# KiCad board Stream.kicad_pcb (continued)
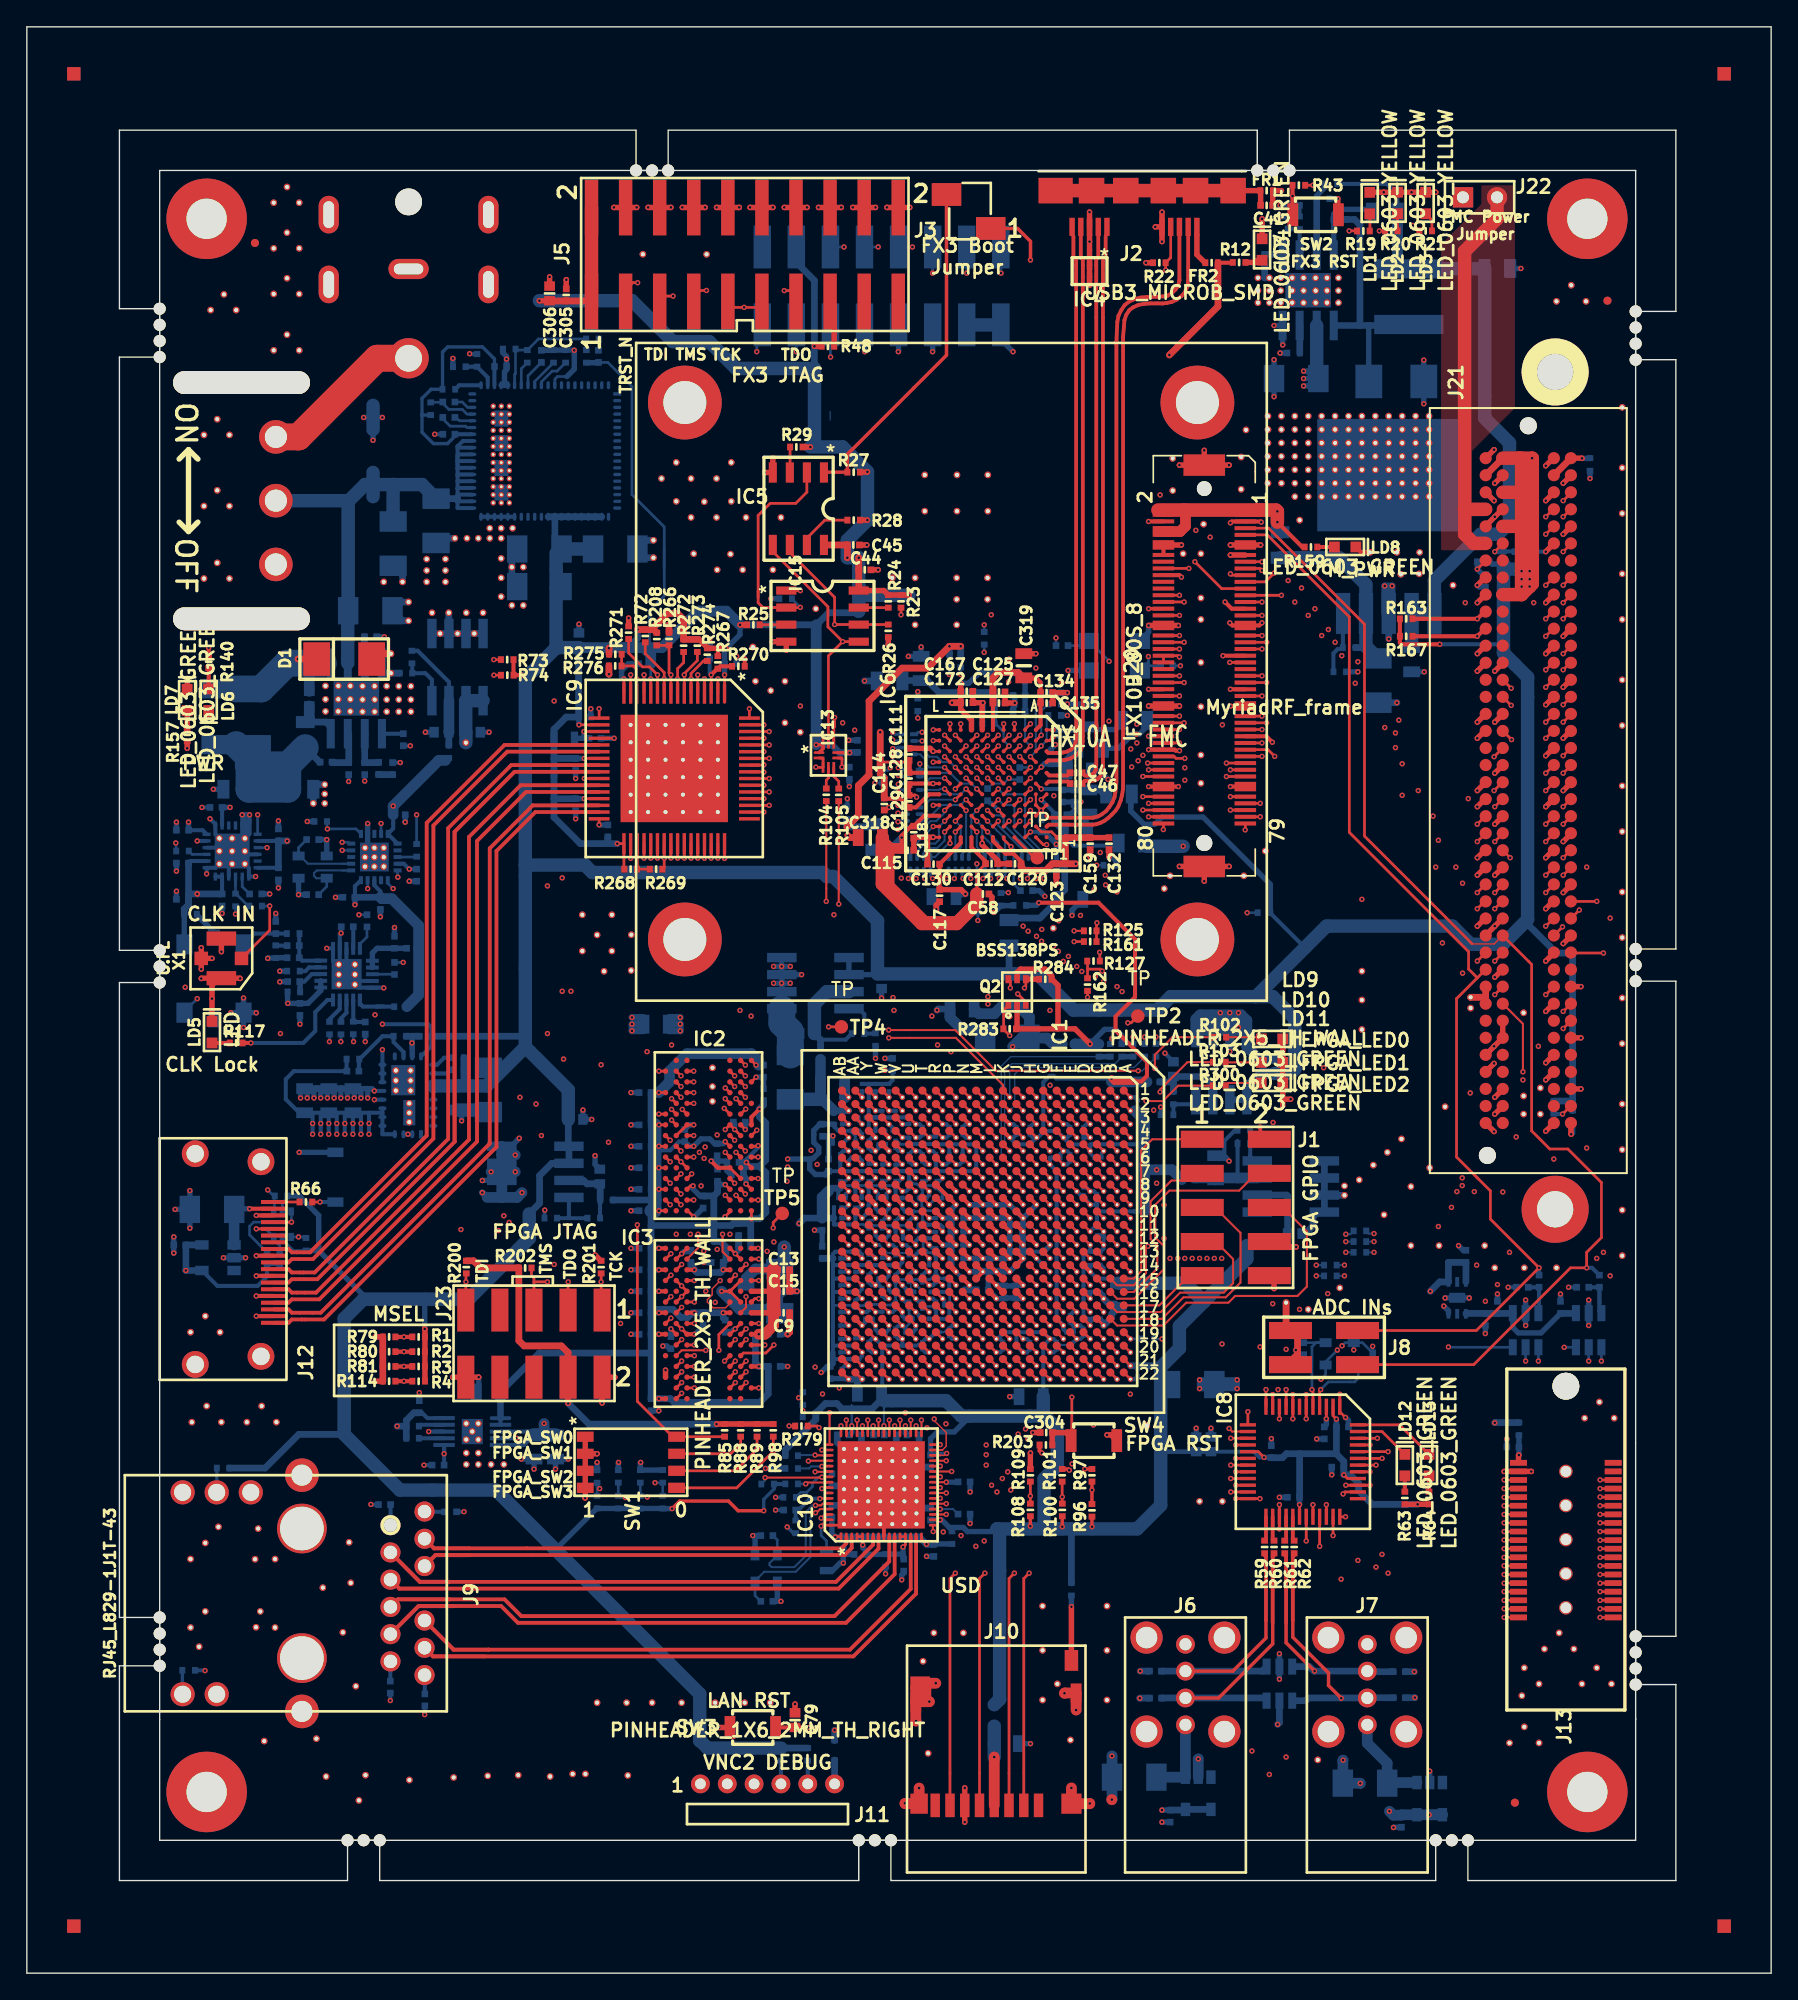
[diagram p0: board, top side]
## Nets (continued)
GND: C1.2 C2.2 C3.2 C4.2 C5.2 C6.2 C7.2 C8.2 C9.2 C10.2 C11.2 C12.2 C13.2 C14.2 C15.2 C16.2 C17.2 C18.2 C19.2 C20.2 C21.2 C22.2 C23.2 C24.2 C25.2 C26.2 C27.2 C28.2 C29.2 C30.2 C31.2 C32.2 C33.2 C34.2 C35.2 C36.2 C37.2 C38.2 C39.2 C40.2 C41.2 C42.1 C43.1 C44.2 C45.2 C48.2 C49.2 C50.2 C51.2 C52.2 C53.2 C54.2 C55.2 C56.2 C57.2 C58.2 C59.2 C60.1 C61.1 C62.2 C63.2 C64.2 C65.2 C66.2 C67.2 C68.2 C69.2 C70.2 C71.2 C72.2 C73.2 C74.2 C75.2 C76.2 C77.2 C78.2 C79.2 C80.1 C81.1 C82.1 C83.1 C84.1 C85.1 C86.2 C87.2 C88.2 C89.2 C90.2 C91.2 C92.2 C93.2 C94.2 C96.2 C97.2 C98.2 C99.2 C100.2 C101.2 C102.2 C103.2 C104.2 C105.2 C106.2 C107.2 C108.2 C109.2 C110.2 C111.2 C112.2 C113.2 C114.2 C115.2 C116.2 C117.2 C118.2 C119.2 C120.2 C121.2 C122.2 C123.2 C124.2 C125.2 C126.2 C127.2 C128.2 C129.2 C130.2 C131.2 C132.2 C133.2 C134.2 C135.2 C136.2 C137.2 C138.2 C139.2 C140.2 C141.2 C142.2 C143.2 C145.2 C146.2 C147.2 C148.2 C149.2 C150.2 C151.2 C152.2 C153.2 C154.2 C155.2 C156.2 C157.2 C158.2 C159.2 C160.2 C162.2 C163.2 C164.2 C165.2 C166.2 C167.2 C168.2 C169.2 C170.2 C171.2 C172.2 C173.2 C174.2 C175.2 C176.2 C177.2 C178.2 C179.2 C180.2 C181.2 C182.2 C185.2 C186.2 C187.2 C188.1 C189.1 C190.2 C191.2 C194.2 C195.2 C196.2 C197.2 C198.2 C199.2 C200.1 C201.1 C202.1 C203.2 C204.2 C205.2 C206.2 C207.2 C208.2 C209.2 C210.2 C211.2 C212.2 C214.2 C216.2 C217.2 C218.2 C219.1 C220.2 C221.2 C222.2 C223.2 C224.2 C225.2 C226.2 C227.2 C228.2 C229.2 C230.2 C231.2 C232.2 C233.2 C234.2 C235.2 C236.2 C237.2 C238.2 C239.2 C240.2 C241.2 C242.2 C243.2 C244.2 C245.2 C246.2 C247.2 C248.2 C249.2 C250.2 C251.2 C252.2 C253.2 C254.2 C255.2 C256.2 C257.2 C258.2 C259.2 C260.2 C261.2 C262.2 C263.2 C266.2 C267.2 C268.2 C270.2 C271.2 C272.2 C273.2 C274.2 C275.2 C276.2 C277.2 C279.2 C280.2 C284.2 C285.2 C288.2 C289.2 C290.2 C291.2 C292.2 C293.2 C296.2 C298.2 C299.2 C300.2 C301.2 C303.2 C304.2 C305.2 C306.2 C307.2 C308.2 C310.2 C313.2 C314.2 C315.2 C316.1 C317.2 C318.2 C319.2 C320.2 C321.2 D1.1 D7.1 D10.1 FR1.2 GND_VIA.1 GND_VIA#2.1 GND_VIA#3.1 GND_VIA#4.1 GND_VIA#5.1 GND_VIA#6.1 GND_VIA#7.1 GND_VIA#8.1 GND_VIA#9.1 GND_VIA#10.1 GND_VIA#11.1 GND_VIA#12.1 GND_VIA#13.1 GND_VIA#14.1 GND_VIA#15.1 GND_VIA#16.1 GND_VIA#17.1 GND_VIA#18.1 GND_VIA#19.1 GND_VIA#20.1 GND_VIA#21.1 GND_VIA#22.1 GND_VIA#23.1 GND_VIA#24.1 GND_VIA#25.1 GND_VIA#26.1 GND_VIA#27.1 GND_VIA#28.1 GND_VIA#29.1 GND_VIA#30.1 GND_VIA#31.1 GND_VIA#32.1 GND_VIA#33.1 GND_VIA#34.1 GND_VIA#35.1 GND_VIA#36.1 GND_VIA#37.1 GND_VIA#38.1 GND_VIA#39.1 GND_VIA#40.1 GND_VIA#41.1 GND_VIA#42.1 GND_VIA#43.1 GND_VIA#44.1 GND_VIA#45.1 GND_VIA#46.1 GND_VIA#47.1 GND_VIA#48.1 GND_VIA#49.1 GND_VIA#50.1 GND_VIA#51.1 GND_VIA#52.1 GND_VIA#53.1 GND_VIA#54.1 GND_VIA#55.1 GND_VIA#56.1 GND_VIA#57.1 GND_VIA#58.1 GND_VIA#59.1 GND_VIA#60.1 GND_VIA#61.1 GND_VIA#62.1 GND_VIA#63.1 GND_VIA#64.1 GND_VIA#65.1 GND_VIA#66.1 GND_VIA#67.1 GND_VIA#68.1 GND_VIA#69.1 GND_VIA#70.1 GND_VIA#71.1 GND_VIA#72.1 GND_VIA#73.1 GND_VIA#74.1 GND_VIA#75.1 GND_VIA#76.1 GND_VIA#77.1 GND_VIA#78.1 GND_VIA#79.1 GND_VIA#80.1 GND_VIA#81.1 GND_VIA#82.1 GND_VIA#83.1 GND_VIA#84.1 GND_VIA#85.1 GND_VIA#86.1 GND_VIA#87.1 GND_VIA#88.1 GND_VIA#89.1 GND_VIA#90.1 GND_VIA#91.1 GND_VIA#92.1 GND_VIA#93.1 GND_VIA#94.1 GND_VIA#95.1 GND_VIA#96.1 GND_VIA#97.1 GND_VIA#98.1 GND_VIA#99.1 GND_VIA#100.1 GND_VIA#101.1 GND_VIA#102.1 GND_VIA#103.1 GND_VIA#104.1 GND_VIA#105.1 GND_VIA#106.1 GND_VIA#107.1 GND_VIA#108.1 GND_VIA#109.1 GND_VIA#110.1 GND_VIA#111.1 GND_VIA#112.1 GND_VIA#113.1 GND_VIA#114.1 GND_VIA#115.1 GND_VIA#116.1 GND_VIA#117.1 GND_VIA#118.1 GND_VIA#119.1 GND_VIA#120.1 GND_VIA#121.1 GND_VIA#122.1 GND_VIA#123.1 GND_VIA#124.1 GND_VIA#125.1 GND_VIA#126.1 GND_VIA#127.1 GND_VIA#128.1 GND_VIA#129.1 GND_VIA#130.1 GND_VIA#131.1 GND_VIA#132.1 GND_VIA#133.1 GND_VIA#134.1 GND_VIA#135.1 GND_VIA#136.1 GND_VIA#137.1 GND_VIA#138.1 GND_VIA#139.1 GND_VIA#140.1 GND_VIA#141.1 GND_VIA#142.1 GND_VIA#143.1 GND_VIA#144.1 GND_VIA#145.1 GND_VIA#146.1 GND_VIA#147.1 GND_VIA#148.1 GND_VIA#149.1 GND_VIA#150.1 GND_VIA#151.1 GND_VIA#152.1 GND_VIA#153.1 GND_VIA#154.1 GND_VIA#155.1 GND_VIA#156.1 GND_VIA#157.1 GND_VIA#158.1 GND_VIA#159.1 GND_VIA#160.1 GND_VIA#161.1 GND_VIA#162.1 GND_VIA#163.1 GND_VIA#164.1 GND_VIA#165.1 GND_VIA#166.1 GND_VIA#167.1 GND_VIA#168.1 GND_VIA#169.1 GND_VIA#170.1 GND_VIA#171.1 GND_VIA#172.1 GND_VIA#173.1 GND_VIA#174.1 GND_VIA#175.1 GND_VIA#176.1 GND_VIA#177.1 GND_VIA#178.1 GND_VIA#179.1 GND_VIA#180.1 GND_VIA#181.1 GND_VIA#182.1 GND_VIA#183.1 GND_VIA#184.1 GND_VIA#185.1 GND_VIA#186.1 GND_VIA#187.1 GND_VIA#188.1 GND_VIA#189.1 GND_VIA#190.1 GND_VIA#191.1 GND_VIA#192.1 GND_VIA#193.1 GND_VIA#194.1 GND_VIA#195.1 GND_VIA#196.1 GND_VIA#197.1 GND_VIA#198.1 GND_VIA#199.1 GND_VIA#200.1 GND_VIA#201.1 GND_VIA#202.1 GND_VIA#203.1 GND_VIA#204.1 GND_VIA#205.1 GND_VIA#206.1 GND_VIA#207.1 GND_VIA#208.1 GND_VIA#209.1 GND_VIA#210.1 GND_VIA#211.1 GND_VIA#212.1 GND_VIA#213.1 GND_VIA#214.1 GND_VIA#215.1 GND_VIA#216.1 GND_VIA#217.1 GND_VIA#218.1 GND_VIA#219.1 GND_VIA#220.1 GND_VIA#221.1 GND_VIA#222.1 GND_VIA#223.1 GND_VIA#224.1 GND_VIA#225.1 GND_VIA#226.1 GND_VIA#227.1 GND_VIA#228.1 GND_VIA#229.1 GND_VIA#230.1 GND_VIA#231.1 GND_VIA#232.1 GND_VIA#233.1 GND_VIA#234.1 GND_VIA#235.1 GND_VIA#236.1 GND_VIA#237.1 GND_VIA#238.1 GND_VIA#239.1 GND_VIA#240.1 GND_VIA#241.1 GND_VIA#242.1 GND_VIA#243.1 GND_VIA#244.1 GND_VIA#245.1 GND_VIA#246.1 GND_VIA#247.1 GND_VIA#248.1 GND_VIA#249.1 GND_VIA#250.1 GND_VIA#251.1 GND_VIA#252.1 GND_VIA#253.1 GND_VIA#254.1 GND_VIA#255.1 GND_VIA#256.1 GND_VIA#257.1 GND_VIA#258.1 GND_VIA#259.1 GND_VIA#260.1 GND_VIA#261.1 GND_VIA#262.1 GND_VIA#263.1 GND_VIA#264.1 GND_VIA#265.1 GND_VIA#266.1 GND_VIA#267.1 GND_VIA#268.1 GND_VIA#269.1 GND_VIA#270.1 GND_VIA#271.1 GND_VIA#272.1 GND_VIA#273.1 GND_VIA#274.1 GND_VIA#275.1 GND_VIA#276.1 GND_VIA#277.1 GND_VIA#278.1 GND_VIA#279.1 GND_VIA#280.1 GND_VIA#281.1 GND_VIA#282.1 GND_VIA#283.1 GND_VIA#284.1 GND_VIA#285.1 GND_VIA#286.1 GND_VIA#287.1 GND_VIA#288.1 GND_VIA#289.1 GND_VIA#290.1 GND_VIA#291.1 GND_VIA#292.1 GND_VIA#293.1 GND_VIA#294.1 GND_VIA#295.1 GND_VIA#296.1 GND_VIA#297.1 GND_VIA#298.1 GND_VIA#299.1 GND_VIA#300.1 GND_VIA#301.1 GND_VIA#302.1 GND_VIA#303.1 GND_VIA#304.1 GND_VIA#305.1 GND_VIA#306.1 GND_VIA#307.1 GND_VIA#308.1 GND_VIA#309.1 GND_VIA#310.1 GND_VIA#311.1 GND_VIA#312.1 GND_VIA#313.1 GND_VIA#314.1 GND_VIA#315.1 GND_VIA#316.1 GND_VIA#317.1 GND_VIA#318.1 GND_VIA#319.1 GND_VIA#320.1 GND_VIA#321.1 GND_VIA#322.1 GND_VIA#323.1 GND_VIA#324.1 GND_VIA#325.1 GND_VIA#326.1 GND_VIA#327.1 GND_VIA#328.1 GND_VIA#329.1 GND_VIA#330.1 GND_VIA#331.1 GND_VIA#332.1 GND_VIA#333.1 GND_VIA#334.1 GND_VIA#335.1 GND_VIA#336.1 GND_VIA#337.1 GND_VIA#338.1 GND_VIA#339.1 GND_VIA#340.1 GND_VIA#341.1 GND_VIA#342.1 GND_VIA#343.1 GND_VIA#344.1 GND_VIA#345.1 GND_VIA#346.1 GND_VIA#347.1 GND_VIA#348.1 GND_VIA#349.1 GND_VIA#350.1 GND_VIA#351.1 GND_VIA#352.1 GND_VIA#353.1 GND_VIA#354.1 GND_VIA#355.1 GND_VIA#356.1 GND_VIA#357.1 GND_VIA#358.1 GND_VIA#359.1 GND_VIA#360.1 GND_VIA#361.1 GND_VIA#362.1 GND_VIA#363.1 GND_VIA#364.1 GND_VIA#365.1 GND_VIA#366.1 GND_VIA#367.1 GND_VIA#368.1 GND_VIA#369.1 GND_VIA#370.1 GND_VIA#371.1 GND_VIA#376.1 GND_VIA#377.1 GND_VIA#378.1 GND_VIA#379.1 GND_VIA#380.1 GND_VIA#381.1 GND_VIA#382.1 GND_VIA#383.1 GND_VIA#384.1 GND_VIA#385.1 GND_VIA#386.1 GND_VIA#387.1 GND_VIA#388.1 GND_VIA#389.1 GND_VIA#390.1 GND_VIA#391.1 GND_VIA#392.1 GND_VIA#393.1 GND_VIA#394.1 GND_VIA#395.1 GND_VIA#397.1 GND_VIA#398.1 GND_VIA#399.1 GND_VIA#400.1 GND_VIA#401.1 GND_VIA#402.1 GND_VIA#403.1 GND_VIA#404.1 GND_VIA#405.1 GND_VIA#406.1 GND_VIA#407.1 GND_VIA#408.1 GND_VIA#409.1 GND_VIA#410.1 GND_VIA#411.1 GND_VIA#412.1 GND_VIA#413.1 GND_VIA#414.1 GND_VIA#415.1 GND_VIA#416.1 GND_VIA#417.1 GND_VIA#418.1 GND_VIA#419.1 GND_VIA#420.1 GND_VIA#421.1 GND_VIA#422.1 GND_VIA#423.1 GND_VIA#424.1 GND_VIA#425.1 GND_VIA#426.1 GND_VIA#427.1 GND_VIA#428.1 GND_VIA#429.1 GND_VIA#430.1 GND_VIA#431.1 GND_VIA#432.1 GND_VIA#433.1 GND_VIA#434.1 GND_VIA#435.1 GND_VIA#436.1 GND_VIA#437.1 GND_VIA#438.1 GND_VIA#439.1 GND_VIA#440.1 GND_VIA#441.1 GND_VIA#442.1 GND_VIA#443.1 GND_VIA#444.1 GND_VIA#445.1 GND_VIA#446.1 GND_VIA#447.1 GND_VIA#448.1 GND_VIA#449.1 GND_VIA#450.1 GND_VIA#451.1 GND_VIA#452.1 GND_VIA#453.1 GND_VIA#454.1 GND_VIA#455.1 GND_VIA#456.1 GND_VIA#457.1 GND_VIA#458.1 GND_VIA#459.1 GND_VIA#460.1 GND_VIA#461.1 GND_VIA#462.1 GND_VIA#463.1 GND_VIA#464.1 GND_VIA#465.1 GND_VIA#466.1 GND_VIA#467.1 GND_VIA#468.1 GND_VIA#469.1 GND_VIA#470.1 GND_VIA#471.1 GND_VIA#472.1 GND_VIA#473.1 GND_VIA#474.1 GND_VIA#475.1 GND_VIA#476.1 GND_VIA#477.1 GND_VIA#478.1 GND_VIA#479.1 GND_VIA#480.1 GND_VIA#481.1 GND_VIA#482.1 GND_VIA#483.1 GND_VIA#484.1 GND_VIA#485.1 GND_VIA#486.1 GND_VIA#487.1 GND_VIA#488.1 GND_VIA#489.1 GND_VIA#490.1 GND_VIA#491.1 GND_VIA#492.1 GND_VIA#493.1 GND_VIA#494.1 IC1.A1 IC1.A22 IC1.AA2 IC1.AA11 IC1.AA22 IC1.AB1 IC1.AB6 IC1.AB11 IC1.AB12 IC1.AB22 IC1.C5 IC1.C9 IC1.C11 IC1.C12 IC1.C14 IC1.C16 IC1.C18 IC1.D3 IC1.D8 IC1.E18 IC1.E20 IC1.F3 IC1.F5 IC1.F12 IC1.G2 IC1.G20 IC1.H3 IC1.H12 IC1.H13 IC1.J9 IC1.J15 IC1.J19 IC1.K3 IC1.K10 IC1.K11 IC1.K12 IC1.K13 IC1.K16 IC1.L3 IC1.L10 IC1.L11 IC1.L12 IC1.L13 IC1.L15 IC1.L20 IC1.M10 IC1.M11 IC1.M12 IC1.M13 IC1.N3 IC1.N10 IC1.N11 IC1.N12 IC1.N13 IC1.N15 IC1.P8 IC1.P19 IC1.R3 IC1.R9 IC1.R11 IC1.R13 IC1.T1 IC1.T20 IC1.U3 IC1.U5 IC1.V18 IC1.V20 IC1.W3 IC1.Y5 IC1.Y9 IC1.Y11 IC1.Y12 IC1.Y15 IC1.Y16 IC1.Y18 IC1.Y20 IC2.A3 IC2.A7 IC2.B2 IC2.B8 IC2.D2 IC2.D8 IC2.E3 IC2.E7 IC2.F2 IC2.F8 IC2.H2 IC2.H8 IC2.J3 IC2.J7 IC2.N1 IC2.P9 IC3.A3 IC3.A7 IC3.B2 IC3.B8 IC3.D2 IC3.D8 IC3.E3 IC3.E7 IC3.F2 IC3.F8 IC3.H2 IC3.H8 IC3.J3 IC3.J7 IC3.N1 IC3.P9 IC4.3 IC4.8 IC5.4 IC6.A1 IC6.A8 IC6.B7 IC6.B8 IC6.B9 IC6.D8 IC6.E2 IC6.G1 IC6.G11 IC6.K3 IC6.K4 IC6.L1 IC6.L2 IC6.L3 IC6.L6 IC6.L11 IC7.2 IC8.1 IC8.6 IC8.8 IC8.24 IC8.27 IC8.39 IC9.13 IC9.15 IC9.16 IC9.17 IC9.20 IC9.26 IC9.32 IC9.34 IC9.36 IC9.37 IC9.38 IC9.39 IC9.40 IC9.41 IC9.42 IC9.43 IC9.44 IC9.45 IC9.46 IC9.47 IC9.48 IC9.64 IC9.65 IC10.9 IC10.64 IC10.GPAD IC11.7 IC11.21 IC12.1 IC12.4 IC12.7 IC12.11 IC12.12 IC12.16 IC12.19 IC12.22 IC12.25 IC13.2 IC13.3 IC14.5 IC14.6 IC14.7 IC14.8 IC15.4 IC16.4 IC16.8 IC16.11 IC18.5 IC18.6 IC18.7 IC18.8 IC19.5 IC19.6 IC19.7 IC19.8 IC20.5 IC20.6 IC20.7 IC20.8 IC21.5 IC21.6 IC21.7 IC21.8 IC22.0 IC22.33 IC22.34 IC22.35 IC22.36 IC22.37 IC22.38 IC22.60 IC22.61 IC22.68 IC23.2 IC23.3 IC23.8 IC23.9 IC23.15 IC23.25 IC23.26 IC24.3 IC24.DAP J1.10 J2.5 J2.8 J4.8 J4.10 J4.12 J4.14 J4.16 J5.4 J5.6 J5.8 J5.10 J5.12 J5.14 J5.16 J5.18 J5.20 J6.4 J6.5 J6.6 J6.7 J6.8 J7.4 J7.5 J7.6 J7.7 J7.8 J8.1 J8.3 J9.13 J9.gnd J10.0 J10.6 J11.3 J12.0 J12.2 J12.5 J12.8 J12.11 J12.17 J13.3 J13.gnd J18.2 J18.3 J20.5 J20.6 J20.11 J20.12 J20.17 J20.18 J20.27 J20.28 J20.37 J20.47 J20.48 J20.57 J20.58 J20.62 J20.63 J20.73 J20.77 J20.81 J20.82 J20.83 J20.84 J20.85 J20.86 J20.87 J20.88 J20.89 J20.90 J21.C1 J21.C4 J21.C5 J21.C8 J21.C9 J21.C12 J21.C13 J21.C16 J21.C17 J21.C20 J21.C21 J21.C24 J21.C25 J21.C28 J21.C29 J21.C32 J21.C33 J21.C36 J21.C38 J21.C40 J21.D2 J21.D3 J21.D6 J21.D7 J21.D10 J21.D13 J21.D16 J21.D19 J21.D22 J21.D25 J21.D28 J21.D37 J21.D39 J21.G1 J21.G4 J21.G5 J21.G8 J21.G11 J21.G14 J21.G17 J21.G20 J21.G23 J21.G26 J21.G29 J21.G32 J21.G35 J21.G38 J21.G40 J21.gnd J21.H3 J21.H6 J21.H9 J21.H12 J21.H15 J21.H18 J21.H21 J21.H24 J21.H27 J21.H30 J21.H33 J21.H36 J21.H39 J23.2 J23.10 LD1.2 LD2.2 LD3.2 LD4.2 LD5.2 LD6.2 LD7.2 LD8.2 LD9.2 LD10.2 LD11.2 MH1.1 MH2.1 MH3.1 MH4.1 MyriadRF_frame.1 MyriadRF_frame.2 MyriadRF_frame.3 MyriadRF_frame.4 R5.2 R22.2 R26.2 R30.2 R31.2 R32.1 R33.1 R34.1 R46.2 R49.2 R52.2 R79.1 R80.1 R81.1 R82.1 R87.1 R91.1 R93.1 R95.1 R97.1 R99.2 R101.1 R107.1 R109.1 R110.1 R112.2 R114.1 R115.2 R121.1 R130.2 R133.2 R134.2 R144.2 R153.2 R156.2 R165.1 R170.2 R171.1 R177.2 R181.2 R196.2 R198.2 R201.1 R266.2 R269.2 R270.1 R276.2 R277.2 SW1.1 SW1.2 SW1.3 SW1.4 SW2.1 SW3.2 SW4.1 U2.1 U2.2 U2.3 U2.9 U2.10 U2.21 U3.4 U3.9 U4.2 U5.2 U6.2 U7.4 U7.9 U8.3 U8.7 U9.2 U10.2 X1.2 XO1.2 XO1.4 XO2.2 XO2.4 XO3.2 XO3.4 XO4.2 XO4.4 XO5.2
VCC: C140.1 C155.1 C164.1 C188.2 C189.2 IC22.39 IC22.40 IC22.41 IC22.42 IC22.43 IC22.44 IC22.45 IC22.46 IC22.47 IC22.48 IC22.49 J22.1 R164.2 SW5.2 U3.2 U7.2
VCC1P2: C86.1 C88.1 C90.1 C104.1 C175.1 C184.1 C187.1 C205.1 C206.1 C207.1 C210.1 C211.1 C220.1 C221.1 C222.1 C223.1 C224.1 C225.1 C226.1 C227.1 C228.1 C229.1 C230.1 C231.1 C235.1 C239.1 C240.1 C244.1 C248.1 C249.1 C250.1 C254.1 C255.1 C260.1 FR10.2 FR12.1 FR17.1 IC1.E17 IC1.F6 IC1.G12 IC1.H9 IC1.J10 IC1.J11 IC1.J12 IC1.J13 IC1.J14 IC1.J16 IC1.K9 IC1.K14 IC1.K15 IC1.L9 IC1.L14 IC1.L16 IC1.M9 IC1.M14 IC1.M15 IC1.N9 IC1.N14 IC1.P9 IC1.P10 IC1.P11 IC1.P12 IC1.P13 IC1.P14 IC1.R8 IC1.R10 IC1.R12 IC1.U6 IC1.V17 IC10.20 IC10.25 IC10.36 IC10.42 IC10.54 IC23.4 IC23.5 IC23.6 IC23.7 R180.1
VCC1P8: C102.1 C216.1 C233.1 C237.1 C242.1 C246.1 C251.1 C256.1 C261.1 C266.1 C270.1 C274.1 C280.1 C285.1 C291.1 C293.1 C296.1 FR18.1 IC1.AA6 IC1.AB2 IC1.AB21 IC1.N4 IC1.R4 IC1.U4 IC1.W4 IC1.W5 IC1.W9 IC1.W11 IC1.W12 IC1.W16 IC1.W18 IC1.Y14 IC11.14 R44.2 R45.2 R47.2 R137.2
VCC1P8_SDRAM: C1.1 C2.1 C3.1 C4.1 C5.1 C6.1 C7.1 C8.1 C9.1 C10.1 C11.1 C12.1 C13.1 C14.1 C15.1 C16.1 C17.1 C18.1 C19.1 C20.1 C21.1 C22.1 C23.1 C24.1 C25.1 C26.1 C27.1 C28.1 C29.1 C30.1 C166.1 C196.1 IC2.A1 IC2.A9 IC2.C1 IC2.C3 IC2.C7 IC2.C9 IC2.E1 IC2.E9 IC2.G1 IC2.G3 IC2.G7 IC2.G9 IC2.J1 IC2.J9 IC2.M9 IC2.R1 IC3.A1 IC3.A9 IC3.C1 IC3.C3 IC3.C7 IC3.C9 IC3.E1 IC3.E9 IC3.G1 IC3.G3 IC3.G7 IC3.G9 IC3.J1 IC3.J9 IC3.M9 IC3.R1 IC16.1 IC16.2 R155.2
VCC2P5: C209.1 C232.1 C236.1 C241.1 C245.1 FR19.1 FR21.1 IC1.D4 IC1.F4 IC1.H4 IC1.K4 IC13.6 J23.4 Q2.2 Q2.5 R35.1 R36.1 R37.1 R77.1 R85.2 R88.2 R89.2 R98.2 R139.2 R200.2 R202.2 R203.2 R271.1 R283.2 R284.2
VCC3P3: C44.1 C45.1 C59.1 C62.1 C64.1 C66.1 C67.1 C68.1 C69.1 C70.1 C71.1 C72.1 C74.1 C75.1 C76.1 C78.1 C87.1 C89.1 C91.1 C146.1 C147.1 C150.1 C182.1 C183.1 C199.1 C200.2 C201.2 C202.2 C208.1 C217.1 C218.1 C234.1 C238.1 C243.1 C247.1 C252.1 C257.1 C259.1 C262.1 C267.1 C271.1 C279.1 C284.1 C290.1 C292.1 C298.1 C299.1 C300.1 C305.1 C306.1 FR8.1 FR16.2 FR20.1 IC1.A21 IC1.D12 IC1.D14 IC1.D16 IC1.D18 IC1.E19 IC1.G19 IC1.J20 IC1.L19 IC1.P18 IC1.T19 IC1.V19 IC1.Y19 IC5.8 IC8.2 IC8.17 IC8.30 IC8.40 IC9.1 IC9.12 IC9.18 IC9.23 IC9.29 IC9.33 IC10.18 IC10.30 IC10.40 IC10.46 IC13.1 IC13.7 IC13.10 IC14.1 IC14.2 IC15.8 IC19.1 IC19.2 IC20.1 IC20.2 IC21.1 IC21.2 IC22.20 IC22.21 IC22.22 IC22.23 IC22.24 IC22.25 IC22.26 IC22.27 IC22.28 IC23.10 IC23.11 IC23.12 IC23.16 IC23.19 IC23.20 J1.8 J4.3 J5.1 J5.2 J21.C39 J21.D32 J21.D36 J21.D38 J21.D40 L1.2 Q1.2 Q1.5 R1.1 R2.1 R3.1 R4.1 R23.1 R24.1 R25.1 R27.1 R28.1 R29.1 R43.2 R48.1 R63.1 R64.1 R65.1 R72.2 R73.2 R74.2 R75.2 R76.1 R78.2 R83.2 R84.1 R86.1 R90.1 R92.1 R94.1 R96.1 R100.1 R106.1 R108.1 R129.1 R140.1 R146.1 R147.2 R148.2 R149.2 R163.1 R166.2 R167.1 R175.1 R179.1 R195.1 R197.1 R208.2 R264.2 R265.2 R267.2 R268.2 R272.2 R273.2 R274.2 R275.2
VCC3P3_CLK: C93.1 C98.1 C100.1 C101.1 C103.1 C105.1 C106.1 C107.1 C108.1 C109.1 C110.1 FB1.2 IC11.10 IC11.11 IC11.18 IC11.20 IC12.2 IC12.6 IC12.8 IC12.14 IC12.18 IC12.23 IC12.24 R113.2 R116.1 R118.2 R120.1 R157.1 U2.16 U2.17 XO5.5
VCC5: C49.1 C55.1 C151.1 C169.1 C176.1 C198.1 D6.1 GND_VIA#372.1 GND_VIA#373.1 GND_VIA#374.1 GND_VIA#375.1 GND_VIA#396.1 IC7.5 IC16.10 IC18.1 IC18.2 R58.1 R68.1 R69.1 R141.1 R142.1 R145.1 U4.4 U4.5 U5.4 U5.5 U6.4 U6.5 U8.4 U8.6
VCC5_M: J20.1 J20.2 J20.3 J20.4 J20.8 J20.10 R159.2 R160.1
VIN_clk: IC1.T22 IC8.36
VIN_debug: IC1.M16 IC8.11 J11.1
VIN_oe: IC1.P20 IC8.35
VIN_prog: IC1.R17 IC8.10 J11.5 R265.1
VIN_rd: IC1.N18 IC8.33
VIN_reset: IC1.W19 IC8.9 J11.4 R264.1
VIN_rxf: IC1.N17 IC8.31
VIN_txe: IC1.N16 IC8.32
VIN_wr: IC1.P15 IC8.34
5P5V: C152.1 C162.1 D12.1 IC24.1 IC24.2 L2.1 R51.1
/Board power supply 2/V_FB: IC22.62 R175.2 R176.2 R177.1 R282.1
/Ethernet/CLK125_NDO: IC10.55 R84.2 R110.2
/Ethernet/lan_rxd_0: IC1.Y21 IC10.44 R94.2 R95.2
/Ethernet/lan_rxd_1: IC1.Y22 IC10.43 R92.2 R93.2
/Ethernet/lan_rxd_2: IC1.W21 IC10.41 R90.2 R91.2
/Ethernet/lan_rxd_3: IC1.W22 IC10.39 R86.2 R87.2
/Ethernet/lan_rxd_4: IC1.V21 IC10.38
/Ethernet/lan_rxd_5: IC1.V22 IC10.37
/Ethernet/lan_rxd_6: IC1.U21 IC10.35
/Ethernet/lan_rxd_7: IC1.U22 IC10.34
/Ethernet/lan_txd_0: IC1.N22 IC10.21
/Ethernet/lan_txd_1: IC1.N21 IC10.22
/Ethernet/lan_txd_2: IC1.P21 IC10.23
/Ethernet/lan_txd_3: IC1.P22 IC10.24
/Ethernet/lan_txd_4: IC1.R20 IC10.26
/Ethernet/lan_txd_5: IC1.R21 IC10.27
/Ethernet/lan_txd_6: IC1.R22 IC10.28
/Ethernet/lan_txd_7: IC1.R19 IC10.29
/Ethernet/LED1: IC10.19 J9.15 R108.2 R109.2
/Ethernet/LED2: IC10.17 J9.17 R100.2 R101.2
/Ethernet/TXRXM_A: IC10.3 J9.10
/Ethernet/TXRXM_B: IC10.8 J9.4
/Ethernet/TXRXM_C: IC10.11 J9.2
/Ethernet/TXRXM_D: IC10.15 J9.8
/Ethernet/TXRXP_A: IC10.2 J9.11
/Ethernet/TXRXP_B: IC10.7 J9.5
/Ethernet/TXRXP_C: IC10.10 J9.3
/Ethernet/TXRXP_D: IC10.14 J9.9
/FMC  and Myriad RF connectors/DIQ1_D0: IC1.C3 J20.23 J21.H38
/FMC  and Myriad RF connectors/DIQ1_D1: IC1.B3 J20.24 J21.G37
/FMC  and Myriad RF connectors/DIQ1_D2: IC1.A3 J20.25 J21.H37
/FMC  and Myriad RF connectors/DIQ1_D3: IC1.C4 J20.26 J21.G36
/FMC  and Myriad RF connectors/DIQ1_D4: IC1.B4 J20.29 J21.H35
/FMC  and Myriad RF connectors/DIQ1_D5: IC1.A4 J20.30 J21.G33
/FMC  and Myriad RF connectors/DIQ1_D6: IC1.F7 J20.31 J21.H32
/FMC  and Myriad RF connectors/DIQ1_D7: IC1.E7 J20.32 J21.G31
/FMC  and Myriad RF connectors/DIQ1_D8: IC1.A5 J20.33 J21.H31
/FMC  and Myriad RF connectors/DIQ1_D9: IC1.C6 J20.34 J21.G30
/FMC  and Myriad RF connectors/DIQ1_D10: IC1.B6 J20.35 J21.H29
/FMC  and Myriad RF connectors/DIQ1_D11: IC1.A6 J20.36 J21.G28
/FMC  and Myriad RF connectors/DIQ2_D0: IC1.B7 J20.43 J21.G24
/FMC  and Myriad RF connectors/DIQ2_D1: IC1.A7 J20.44 J21.G25
/FMC  and Myriad RF connectors/DIQ2_D2: IC1.F8 J20.45 J21.H23
/FMC  and Myriad RF connectors/DIQ2_D3: IC1.B8 J20.46 J21.H22
/FMC  and Myriad RF connectors/DIQ2_D4: IC1.C8 J20.49 J21.H20
/FMC  and Myriad RF connectors/DIQ2_D5: IC1.A8 J20.50 J21.G22
/FMC  and Myriad RF connectors/DIQ2_D6: IC1.A9 J20.51 J21.G19
/FMC  and Myriad RF connectors/DIQ2_D7: IC1.B9 J20.52 J21.H19
/FMC  and Myriad RF connectors/DIQ2_D8: IC1.A10 J20.53 J21.H17
/FMC  and Myriad RF connectors/DIQ2_D9: IC1.F10 J20.54 J21.G18
/FMC  and Myriad RF connectors/DIQ2_D10: IC1.C7 J20.55 J21.G16
/FMC  and Myriad RF connectors/DIQ2_D11: IC1.D10 J20.56 J21.H16
/FPGA banks 1_4/DDR_0_A0: IC1.W1 IC2.M8 R188.2
/FPGA banks 1_4/DDR_0_A1: IC1.AA3 IC2.M3 R209.2
/FPGA banks 1_4/DDR_0_A2: IC1.Y3 IC2.M7 R210.2
/FPGA banks 1_4/DDR_0_A3: IC1.V6 IC2.N2 R211.2
/FPGA banks 1_4/DDR_0_A4: IC1.AA1 IC2.N8 R212.2
/FPGA banks 1_4/DDR_0_A5: IC1.AB3 IC2.N3 R213.2
/FPGA banks 1_4/DDR_0_A6: IC1.Y2 IC2.N7 R214.2
/FPGA banks 1_4/DDR_0_A7: IC1.AB5 IC2.P2 R215.2
/FPGA banks 1_4/DDR_0_A8: IC1.Y1 IC2.P8 R216.2
/FPGA banks 1_4/DDR_0_A9: IC1.V7 IC2.P3 R217.2
/FPGA banks 1_4/DDR_0_A10: IC1.Y6 IC2.M2 R218.2
/FPGA banks 1_4/DDR_0_A11: IC1.W2 IC2.P7 R219.2
/FPGA banks 1_4/DDR_0_A12: IC1.T8 IC2.R2 R220.2
/FPGA banks 1_4/DDR_0_DQ0: IC1.U10 IC2.G8 R6.2
/FPGA banks 1_4/DDR_0_DQ1: IC1.AB8 IC2.G2 R7.2
/FPGA banks 1_4/DDR_0_DQ2: IC1.AB7 IC2.H7 R8.2
/FPGA banks 1_4/DDR_0_DQ3: IC1.AA9 IC2.H3 R9.2
/FPGA banks 1_4/DDR_0_DQ4: IC1.V11 IC2.H1 R10.2
/FPGA banks 1_4/DDR_0_DQ5: IC1.W10 IC2.H9 R11.2
/FPGA banks 1_4/DDR_0_DQ6: IC1.AA8 IC2.F1 R71.2
/FPGA banks 1_4/DDR_0_DQ7: IC1.Y10 IC2.F9 R126.2
/FPGA banks 1_4/DDR_0_DQ8: IC1.W6 IC2.C8 R138.2
/FPGA banks 1_4/DDR_0_DQ9: IC1.AA5 IC2.C2 R152.2
/FPGA banks 1_4/DDR_0_DQ10: IC1.W7 IC2.D7 R172.2
/FPGA banks 1_4/DDR_0_DQ11: IC1.V8 IC2.D3 R173.2
/FPGA banks 1_4/DDR_0_DQ12: IC1.W8 IC2.D1 R174.2
/FPGA banks 1_4/DDR_0_DQ13: IC1.Y7 IC2.D9 R178.2
/FPGA banks 1_4/DDR_0_DQ14: IC1.U9 IC2.B1 R182.2
/FPGA banks 1_4/DDR_0_DQ15: IC1.AA4 IC2.B9 R183.2
/FPGA banks 1_4/DDR_1_A0: IC1.U15 IC3.M8 R243.2
/FPGA banks 1_4/DDR_1_A1: IC1.AA17 IC3.M3 R244.2
/FPGA banks 1_4/DDR_1_A2: IC1.T14 IC3.M7 R245.2
/FPGA banks 1_4/DDR_1_A3: IC1.Y17 IC3.N2 R246.2
/FPGA banks 1_4/DDR_1_A4: IC1.T16 IC3.N8 R247.2
/FPGA banks 1_4/DDR_1_A5: IC1.AB19 IC3.N3 R248.2
/FPGA banks 1_4/DDR_1_A6: IC1.U17 IC3.N7 R249.2
/FPGA banks 1_4/DDR_1_A7: IC1.AA19 IC3.P2 R250.2
/FPGA banks 1_4/DDR_1_A8: IC1.R16 IC3.P8 R251.2
/FPGA banks 1_4/DDR_1_A9: IC1.AA20 IC3.P3 R252.2
/FPGA banks 1_4/DDR_1_A10: IC1.AB17 IC3.M2 R253.2
/FPGA banks 1_4/DDR_1_A11: IC1.U16 IC3.P7 R254.2
/FPGA banks 1_4/DDR_1_A12: IC1.U14 IC3.R2 R255.2
/FPGA banks 1_4/DDR_1_DQ0: IC1.W15 IC3.G8 R13.2
/FPGA banks 1_4/DDR_1_DQ1: IC1.V14 IC3.G2 R14.2
/FPGA banks 1_4/DDR_1_DQ2: IC1.AB20 IC3.H7 R15.2
/FPGA banks 1_4/DDR_1_DQ3: IC1.AB18 IC3.H3 R16.2
/FPGA banks 1_4/DDR_1_DQ4: IC1.T15 IC3.H1 R17.2
/FPGA banks 1_4/DDR_1_DQ5: IC1.W17 IC3.H9 R18.2
/FPGA banks 1_4/DDR_1_DQ6: IC1.AB16 IC3.F1 R229.2
/FPGA banks 1_4/DDR_1_DQ7: IC1.V15 IC3.F9 R230.2
/FPGA banks 1_4/DDR_1_DQ8: IC1.W13 IC3.C8 R231.2
/FPGA banks 1_4/DDR_1_DQ9: IC1.AB13 IC3.C2 R232.2
/FPGA banks 1_4/DDR_1_DQ10: IC1.AA15 IC3.D7 R233.2
/FPGA banks 1_4/DDR_1_DQ11: IC1.AB14 IC3.D3 R234.2
/FPGA banks 1_4/DDR_1_DQ12: IC1.AA14 IC3.D1 R235.2
/FPGA banks 1_4/DDR_1_DQ13: IC1.AB15 IC3.D9 R236.2
/FPGA banks 1_4/DDR_1_DQ14: IC1.AA13 IC3.B1 R237.2
/FPGA banks 1_4/DDR_1_DQ15: IC1.U12 IC3.B9 R238.2
/FPGA banks 1_4/DVI_d0: IC1.J1 IC9.63
/FPGA banks 1_4/DVI_d1: IC1.J2 IC9.62
/FPGA banks 1_4/DVI_d2: IC1.H1 IC9.61
/FPGA banks 1_4/DVI_d3: IC1.H2 IC9.60
/FPGA banks 1_4/DVI_d4: IC1.G3 IC9.59
/FPGA banks 1_4/DVI_d5: IC1.G4 IC9.58
/FPGA banks 1_4/DVI_d6: IC1.E1 IC9.55
/FPGA banks 1_4/DVI_d7: IC1.E3 IC9.54
/FPGA banks 1_4/DVI_d8: IC1.D2 IC9.53
/FPGA banks 1_4/DVI_d9: IC1.C1 IC9.52
/FPGA banks 1_4/DVI_d10: IC1.B1 IC9.51
/FPGA banks 1_4/DVI_d11: IC1.B2 IC9.50
/FPGA banks 1_4/FPGA_reset: C304.1 IC1.E4 R203.1 SW4.2
/FPGA banks 1_4/FPGA_SW0: IC1.J8 R85.1 SW1.8
/FPGA banks 1_4/FPGA_SW1: IC1.J6 R88.1 SW1.7
/FPGA banks 1_4/FPGA_SW2: IC1.J5 R89.1 SW1.6
/FPGA banks 1_4/FPGA_SW3: IC1.G1 R98.1 SW1.5
/FPGA banks 1_4/FX3_CTL0: IC1.L7 R206.5
/FPGA banks 1_4/FX3_CTL1: IC1.M4 R207.5
/FPGA banks 1_4/FX3_CTL2: IC1.M8 R206.7
/FPGA banks 1_4/FX3_CTL3: IC1.M7 R206.8
/FPGA banks 1_4/FX3_CTL4: IC1.M5 R207.7